# KiCad board Si5351ABreakout_panel.kicad_pcb (continued)
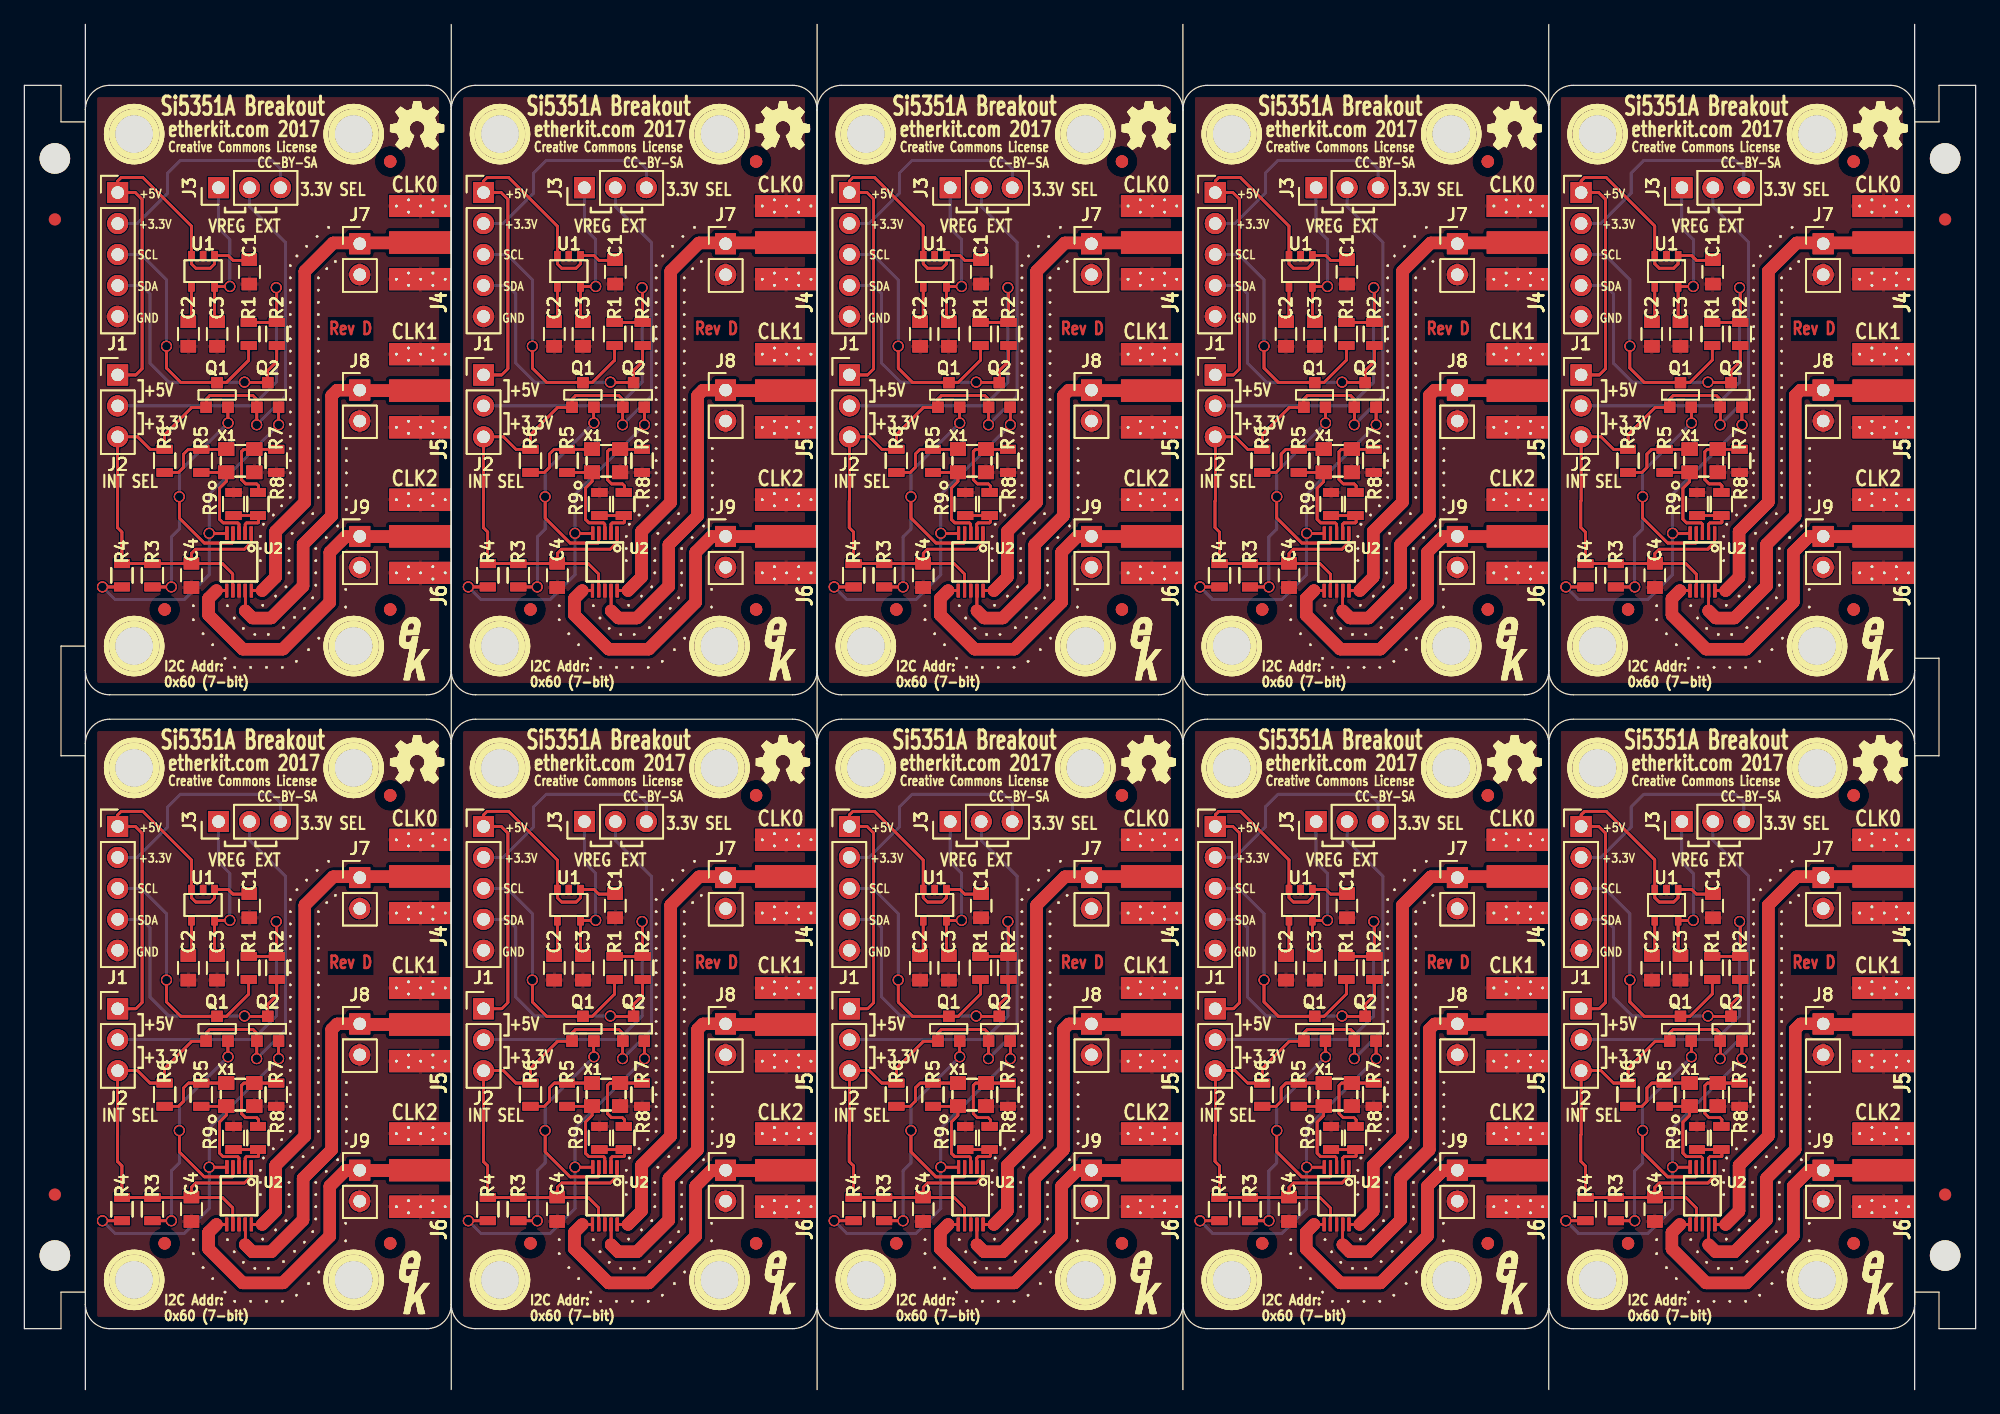
[diagram p0: board, top side]
## Routing (per net, layer and track width the routed paths; a pad name or vN(x,y) marks a point on that pad's centre or on a via; arc(x,y) is an arc through that point) (continued)
  Top w0.2: 7.65,72.92 7.63,72.9 ; 7.65,72.92 J2.3 ; 7.65,72.92 7.63,72.9 ; 7.65,72.92 7.63,72.9 ; 7.65,72.92 J2.3 ; 7.65,72.92 J2.3 ; 7.65,72.92 7.63,72.9 ; 7.65,72.92 J2.3 ; 7.63,72.9 7.63,70.72 ; 7.63,72.9 7.63,70.72 ; 7.63,72.9 7.63,70.72 ; 7.63,72.9 7.63,70.72 ; 37.65,72.92 37.63,72.9 ; 37.65,72.92 J2#2.3 ; 37.65,72.92 37.63,72.9 ; 37.65,72.92 37.63,72.9 ; 37.65,72.92 J2#2.3 ; 37.65,72.92 J2#2.3 ; 37.65,72.92 37.63,72.9 ; 37.65,72.92 J2#2.3 ; 37.63,72.9 37.63,70.72 ; 37.63,72.9 37.63,70.72 ; 37.63,72.9 37.63,70.72 ; 37.63,72.9 37.63,70.72 ; 67.65,72.92 67.63,72.9 ; 67.65,72.92 J2#3.3 ; 67.65,72.92 67.63,72.9 ; 67.65,72.92 67.63,72.9 ; 67.65,72.92 J2#3.3 ; 67.65,72.92 J2#3.3 ; 67.65,72.92 67.63,72.9 ; 67.65,72.92 J2#3.3 ; 67.63,72.9 67.63,70.72 ; 67.63,72.9 67.63,70.72 ; 67.63,72.9 67.63,70.72 ; 67.63,72.9 67.63,70.72 ; 97.65,72.92 97.63,72.9 ; 97.65,72.92 J2#4.3 ; 97.65,72.92 97.63,72.9 ; 97.65,72.92 97.63,72.9 ; 97.65,72.92 J2#4.3 ; 97.65,72.92 J2#4.3 ; 97.65,72.92 97.63,72.9 ; 97.65,72.92 J2#4.3 ; 97.63,72.9 97.63,70.72 ; 97.63,72.9 97.63,70.72 ; 97.63,72.9 97.63,70.72 ; 97.63,72.9 97.63,70.72 ; 127.65,72.92 127.63,72.9 ; 127.65,72.92 J2#5.3 ; 127.65,72.92 127.63,72.9 ; 127.65,72.92 127.63,72.9 ; 127.65,72.92 J2#5.3 ; 127.65,72.92 J2#5.3 ; 127.65,72.92 127.63,72.9 ; 127.65,72.92 J2#5.3 ; 127.63,72.9 127.63,70.72 ; 127.63,72.9 127.63,70.72 ; 127.63,72.9 127.63,70.72 ; 127.63,72.9 127.63,70.72 ; 8,70.35 7.63,70.72 ; 8,70.35 8,67.75 ; 8,70.35 7.63,70.72 ; 8,70.35 7.63,70.72 ; 8,70.35 8,67.75 ; 8,70.35 8,67.75 ; 8,70.35 7.63,70.72 ; 8,70.35 8,67.75 ; 38,70.35 37.63,70.72 ; 38,70.35 38,67.75 ; 38,70.35 37.63,70.72 ; 38,70.35 37.63,70.72 ; 38,70.35 38,67.75 ; 38,70.35 38,67.75 ; 38,70.35 37.63,70.72 ; 38,70.35 38,67.75 ; 68,70.35 67.63,70.72 ; 68,70.35 68,67.75 ; 68,70.35 67.63,70.72 ; 68,70.35 67.63,70.72 ; 68,70.35 68,67.75 ; 68,70.35 68,67.75 ; 68,70.35 67.63,70.72 ; 68,70.35 68,67.75 ; 98,70.35 97.63,70.72 ; 98,70.35 98,67.75 ; 98,70.35 97.63,70.72 ; 98,70.35 97.63,70.72 ; 98,70.35 98,67.75 ; 98,70.35 98,67.75 ; 98,70.35 97.63,70.72 ; 98,70.35 98,67.75 ; 128,70.35 127.63,70.72 ; 128,70.35 128,67.75 ; 128,70.35 127.63,70.72 ; 128,70.35 127.63,70.72 ; 128,70.35 128,67.75 ; 128,70.35 128,67.75 ; 128,70.35 127.63,70.72 ; 128,70.35 128,67.75 ; 16.25,67.75 17.09,66.91 ; 16.25,67.75 13.7,67.75 ; 16.25,67.75 17.09,66.91 ; 16.25,67.75 17.09,66.91 ; 16.25,67.75 13.7,67.75 ; 16.25,67.75 13.7,67.75 ; 16.25,67.75 17.09,66.91 ; 16.25,67.75 13.7,67.75 ; 17.09,66.91 U2.7 ; 17.09,66.91 U2.7 ; 17.09,66.91 U2.7 ; 17.09,66.91 U2.7 ; 46.25,67.75 47.09,66.91 ; 46.25,67.75 43.7,67.75 ; 46.25,67.75 47.09,66.91 ; 46.25,67.75 47.09,66.91 ; 46.25,67.75 43.7,67.75 ; 46.25,67.75 43.7,67.75 ; 46.25,67.75 47.09,66.91 ; 46.25,67.75 43.7,67.75 ; 47.09,66.91 U2#2.7 ; 47.09,66.91 U2#2.7 ; 47.09,66.91 U2#2.7 ; 47.09,66.91 U2#2.7 ; 76.25,67.75 77.09,66.91 ; 76.25,67.75 73.7,67.75 ; 76.25,67.75 77.09,66.91 ; 76.25,67.75 77.09,66.91 ; 76.25,67.75 73.7,67.75 ; 76.25,67.75 73.7,67.75 ; 76.25,67.75 77.09,66.91 ; 76.25,67.75 73.7,67.75 ; 77.09,66.91 U2#3.7 ; 77.09,66.91 U2#3.7 ; 77.09,66.91 U2#3.7 ; 77.09,66.91 U2#3.7 ; 106.25,67.75 107.09,66.91 ; 106.25,67.75 103.7,67.75 ; 106.25,67.75 107.09,66.91 ; 106.25,67.75 107.09,66.91 ; 106.25,67.75 103.7,67.75 ; 106.25,67.75 103.7,67.75 ; 106.25,67.75 107.09,66.91 ; 106.25,67.75 103.7,67.75 ; 107.09,66.91 U2#4.7 ; 107.09,66.91 U2#4.7 ; 107.09,66.91 U2#4.7 ; 107.09,66.91 U2#4.7 ; 136.25,67.75 137.09,66.91 ; 136.25,67.75 133.7,67.75 ; 136.25,67.75 137.09,66.91 ; 136.25,67.75 137.09,66.91 ; 136.25,67.75 133.7,67.75 ; 136.25,67.75 133.7,67.75 ; 136.25,67.75 137.09,66.91 ; 136.25,67.75 133.7,67.75 ; 137.09,66.91 U2#5.7 ; 137.09,66.91 U2#5.7 ; 137.09,66.91 U2#5.7 ; 137.09,66.91 U2#5.7 ; 19.06,81.24 18.75,81.55 ; 19.06,81.24 Q2.2 ; 19.06,81.24 18.75,81.55 ; 19.06,81.24 18.75,81.55 ; 19.06,81.24 Q2.2 ; 19.06,81.24 Q2.2 ; 19.06,81.24 18.75,81.55 ; 19.06,81.24 Q2.2 ; 18.75,81.55 15.2,81.55 ; 18.75,81.55 15.2,81.55 ; 18.75,81.55 15.2,81.55 ; 18.75,81.55 15.2,81.55 ; 49.06,81.24 48.75,81.55 ; 49.06,81.24 Q2#2.2 ; 49.06,81.24 48.75,81.55 ; 49.06,81.24 48.75,81.55 ; 49.06,81.24 Q2#2.2 ; 49.06,81.24 Q2#2.2 ; 49.06,81.24 48.75,81.55 ; 49.06,81.24 Q2#2.2 ; 48.75,81.55 45.2,81.55 ; 48.75,81.55 45.2,81.55 ; 48.75,81.55 45.2,81.55 ; 48.75,81.55 45.2,81.55 ; 79.06,81.24 78.75,81.55 ; 79.06,81.24 Q2#3.2 ; 79.06,81.24 78.75,81.55 ; 79.06,81.24 78.75,81.55 ; 79.06,81.24 Q2#3.2 ; 79.06,81.24 Q2#3.2 ; 79.06,81.24 78.75,81.55 ; 79.06,81.24 Q2#3.2 ; 78.75,81.55 75.2,81.55 ; 78.75,81.55 75.2,81.55 ; 78.75,81.55 75.2,81.55 ; 78.75,81.55 75.2,81.55 ; 109.06,81.24 108.75,81.55 ; 109.06,81.24 Q2#4.2 ; 109.06,81.24 108.75,81.55 ; 109.06,81.24 108.75,81.55 ; 109.06,81.24 Q2#4.2 ; 109.06,81.24 Q2#4.2 ; 109.06,81.24 108.75,81.55 ; 109.06,81.24 Q2#4.2 ; 108.75,81.55 105.2,81.55 ; 108.75,81.55 105.2,81.55 ; 108.75,81.55 105.2,81.55 ; 108.75,81.55 105.2,81.55 ; 139.06,81.24 138.75,81.55 ; 139.06,81.24 Q2#5.2 ; 139.06,81.24 138.75,81.55 ; 139.06,81.24 138.75,81.55 ; 139.06,81.24 Q2#5.2 ; 139.06,81.24 Q2#5.2 ; 139.06,81.24 138.75,81.55 ; 139.06,81.24 Q2#5.2 ; 138.75,81.55 135.2,81.55 ; 138.75,81.55 135.2,81.55 ; 138.75,81.55 135.2,81.55 ; 138.75,81.55 135.2,81.55 ; 15.2,81.55 14.91,81.26 ; 15.2,81.55 14.91,81.26 ; 15.2,81.55 14.91,81.26 ; 15.2,81.55 14.91,81.26 ; 45.2,81.55 44.91,81.26 ; 45.2,81.55 44.91,81.26 ; 45.2,81.55 44.91,81.26 ; 45.2,81.55 44.91,81.26 ; 75.2,81.55 74.91,81.26 ; 75.2,81.55 74.91,81.26 ; 75.2,81.55 74.91,81.26 ; 75.2,81.55 74.91,81.26 ; 105.2,81.55 104.91,81.26 ; 105.2,81.55 104.91,81.26 ; 105.2,81.55 104.91,81.26 ; 105.2,81.55 104.91,81.26 ; 135.2,81.55 134.91,81.26 ; 135.2,81.55 134.91,81.26 ; 135.2,81.55 134.91,81.26 ; 135.2,81.55 134.91,81.26 ; 14.91,81.26 14.91,80.58 ; 14.91,81.26 14.91,80.58 ; 14.91,81.26 14.91,80.58 ; 14.91,81.26 14.91,80.58 ; 44.91,81.26 Q1#2.2 ; 44.91,81.26 Q1#2.2 ; 44.91,81.26 Q1#2.2 ; 44.91,81.26 Q1#2.2 ; 74.91,81.26 Q1#3.2 ; 74.91,81.26 Q1#3.2 ; 74.91,81.26 Q1#3.2 ; 74.91,81.26 Q1#3.2 ; 104.91,81.26 Q1#4.2 ; 104.91,81.26 Q1#4.2 ; 104.91,81.26 Q1#4.2 ; 104.91,81.26 Q1#4.2 ; 134.91,81.26 Q1#5.2 ; 134.91,81.26 Q1#5.2 ; 134.91,81.26 Q1#5.2 ; 134.91,81.26 Q1#5.2 ; 14.91,80.58 13.73,80.58 ; 14.91,80.58 13.73,80.58 ; 14.91,80.58 13.73,80.58 ; 14.91,80.58 13.73,80.58 ; Q1#2.2 43.73,80.58 ; Q1#2.2 43.73,80.58 ; Q1#2.2 43.73,80.58 ; Q1#2.2 43.73,80.58 ; Q1#3.2 73.73,80.58 ; Q1#3.2 73.73,80.58 ; Q1#3.2 73.73,80.58 ; Q1#3.2 73.73,80.58 ; Q1#4.2 103.73,80.58 ; Q1#4.2 103.73,80.58 ; Q1#4.2 103.73,80.58 ; Q1#4.2 103.73,80.58 ; Q1#5.2 133.73,80.58 ; Q1#5.2 133.73,80.58 ; Q1#5.2 133.73,80.58 ; Q1#5.2 133.73,80.58 ; v1(19.05,79.15) 19.06,79.16 ; v1(19.05,79.15) 19.06,79.16 ; v1(19.05,79.15) 19.06,79.16 ; v1(19.05,79.15) 19.06,79.16 ; 19.06,79.16 Q2.2 ; 19.06,79.16 Q2.2 ; 19.06,79.16 Q2.2 ; 19.06,79.16 Q2.2 ; v1(49.05,79.15) 49.06,79.16 ; v1(49.05,79.15) 49.06,79.16 ; v1(49.05,79.15) 49.06,79.16 ; v1(49.05,79.15) 49.06,79.16 ; 49.06,79.16 Q2#2.2 ; 49.06,79.16 Q2#2.2 ; 49.06,79.16 Q2#2.2 ; 49.06,79.16 Q2#2.2 ; v1(79.05,79.15) 79.06,79.16 ; v1(79.05,79.15) 79.06,79.16 ; v1(79.05,79.15) 79.06,79.16 ; v1(79.05,79.15) 79.06,79.16 ; 79.06,79.16 Q2#3.2 ; 79.06,79.16 Q2#3.2 ; 79.06,79.16 Q2#3.2 ; 79.06,79.16 Q2#3.2 ; v1(109.05,79.15) 109.06,79.16 ; v1(109.05,79.15) 109.06,79.16 ; v1(109.05,79.15) 109.06,79.16 ; v1(109.05,79.15) 109.06,79.16 ; 109.06,79.16 Q2#4.2 ; 109.06,79.16 Q2#4.2 ; 109.06,79.16 Q2#4.2 ; 109.06,79.16 Q2#4.2 ; v1(139.05,79.15) 139.06,79.16 ; v1(139.05,79.15) 139.06,79.16 ; v1(139.05,79.15) 139.06,79.16 ; v1(139.05,79.15) 139.06,79.16 ; 139.06,79.16 Q2#5.2 ; 139.06,79.16 Q2#5.2 ; 139.06,79.16 Q2#5.2 ; 139.06,79.16 Q2#5.2 ; 9.29,78.16 10.3,77.15 ; 9.29,78.16 J2.3 ; 9.29,78.16 10.3,77.15 ; 9.29,78.16 10.3,77.15 ; 9.29,78.16 J2.3 ; 9.29,78.16 J2.3 ; 9.29,78.16 10.3,77.15 ; 9.29,78.16 J2.3 ; 10.3,77.15 R6.1 ; 10.3,77.15 R6.1 ; 10.3,77.15 R6.1 ; 10.3,77.15 R6.1 ; 39.29,78.16 40.3,77.15 ; 39.29,78.16 J2#2.3 ; 39.29,78.16 40.3,77.15 ; 39.29,78.16 40.3,77.15 ; 39.29,78.16 J2#2.3 ; 39.29,78.16 J2#2.3 ; 39.29,78.16 40.3,77.15 ; 39.29,78.16 J2#2.3 ; 40.3,77.15 R6#2.1 ; 40.3,77.15 R6#2.1 ; 40.3,77.15 R6#2.1 ; 40.3,77.15 R6#2.1 ; 69.29,78.16 70.3,77.15 ; 69.29,78.16 J2#3.3 ; 69.29,78.16 70.3,77.15 ; 69.29,78.16 70.3,77.15 ; 69.29,78.16 J2#3.3 ; 69.29,78.16 J2#3.3 ; 69.29,78.16 70.3,77.15 ; 69.29,78.16 J2#3.3 ; 70.3,77.15 R6#3.1 ; 70.3,77.15 R6#3.1 ; 70.3,77.15 R6#3.1 ; 70.3,77.15 R6#3.1 ; 99.29,78.16 100.3,77.15 ; 99.29,78.16 J2#4.3 ; 99.29,78.16 100.3,77.15 ; 99.29,78.16 100.3,77.15 ; 99.29,78.16 J2#4.3 ; 99.29,78.16 J2#4.3 ; 99.29,78.16 100.3,77.15 ; 99.29,78.16 J2#4.3 ; 100.3,77.15 R6#4.1 ; 100.3,77.15 R6#4.1 ; 100.3,77.15 R6#4.1 ; 100.3,77.15 R6#4.1 ; 129.29,78.16 130.3,77.15 ; 129.29,78.16 J2#5.3 ; 129.29,78.16 130.3,77.15 ; 129.29,78.16 130.3,77.15 ; 129.29,78.16 J2#5.3 ; 129.29,78.16 J2#5.3 ; 129.29,78.16 130.3,77.15 ; 129.29,78.16 J2#5.3 ; 130.3,77.15 R6#5.1 ; 130.3,77.15 R6#5.1 ; 130.3,77.15 R6#5.1 ; 130.3,77.15 R6#5.1 ; R6.1 11.5,78.35 ; R6.1 11.5,78.35 ; R6.1 11.5,78.35 ; R6.1 11.5,78.35 ; R6#2.1 41.5,78.35 ; R6#2.1 41.5,78.35 ; R6#2.1 41.5,78.35 ; R6#2.1 41.5,78.35 ; R6#3.1 71.5,78.35 ; R6#3.1 71.5,78.35 ; R6#3.1 71.5,78.35 ; R6#3.1 71.5,78.35 ; R6#4.1 101.5,78.35 ; R6#4.1 101.5,78.35 ; R6#4.1 101.5,78.35 ; R6#4.1 101.5,78.35 ; R6#5.1 131.5,78.35 ; R6#5.1 131.5,78.35 ; R6#5.1 131.5,78.35 ; R6#5.1 131.5,78.35 ; 11.5,78.35 13.73,80.58 ; 11.5,78.35 13.73,80.58 ; 11.5,78.35 13.73,80.58 ; 11.5,78.35 13.73,80.58 ; 41.5,78.35 43.73,80.58 ; 41.5,78.35 43.73,80.58 ; 41.5,78.35 43.73,80.58 ; 41.5,78.35 43.73,80.58 ; 71.5,78.35 73.73,80.58 ; 71.5,78.35 73.73,80.58 ; 71.5,78.35 73.73,80.58 ; 71.5,78.35 73.73,80.58 ; 101.5,78.35 103.73,80.58 ; 101.5,78.35 103.73,80.58 ; 101.5,78.35 103.73,80.58 ; 101.5,78.35 103.73,80.58 ; 131.5,78.35 133.73,80.58 ; 131.5,78.35 133.73,80.58 ; 131.5,78.35 133.73,80.58 ; 131.5,78.35 133.73,80.58 ; 14.05,68.95 13.7,68.6 ; 14.05,68.95 18.05,68.95 ; 14.05,68.95 18.05,68.95 ; 14.05,68.95 13.7,68.6 ; 14.05,68.95 13.7,68.6 ; 14.05,68.95 18.05,68.95 ; 14.05,68.95 18.05,68.95 ; 14.05,68.95 13.7,68.6 ; 13.7,68.6 C4.1 ; 13.7,68.6 C4.1 ; 13.7,68.6 C4.1 ; 13.7,68.6 C4.1 ; 18.05,68.95 18.6,69.5 ; 18.05,68.95 18.6,69.5 ; 18.05,68.95 18.6,69.5 ; 18.05,68.95 18.6,69.5 ; U2.1 18.6,69.5 ; U2.1 18.6,69.5 ; U2.1 18.6,69.5 ; U2.1 18.6,69.5 ; 10.5,67.75 13.7,67.75 ; 10.5,67.75 8,67.75 ; 10.5,67.75 8,67.75 ; 10.5,67.75 13.7,67.75 ; 10.5,67.75 13.7,67.75 ; 10.5,67.75 8,67.75 ; 10.5,67.75 13.7,67.75 ; 10.5,67.75 8,67.75 ; 44.05,68.95 43.7,68.6 ; 44.05,68.95 48.05,68.95 ; 44.05,68.95 48.05,68.95 ; 44.05,68.95 43.7,68.6 ; 44.05,68.95 43.7,68.6 ; 44.05,68.95 48.05,68.95 ; 44.05,68.95 43.7,68.6 ; 44.05,68.95 48.05,68.95 ; 43.7,68.6 C4#2.1 ; 43.7,68.6 C4#2.1 ; 43.7,68.6 C4#2.1 ; 43.7,68.6 C4#2.1 ; 48.05,68.95 48.6,69.5 ; 48.05,68.95 48.6,69.5 ; 48.05,68.95 48.6,69.5 ; 48.05,68.95 48.6,69.5 ; U2#2.1 48.6,69.5 ; U2#2.1 48.6,69.5 ; U2#2.1 48.6,69.5 ; U2#2.1 48.6,69.5 ; 40.5,67.75 43.7,67.75 ; 40.5,67.75 38,67.75 ; 40.5,67.75 38,67.75 ; 40.5,67.75 43.7,67.75 ; 40.5,67.75 43.7,67.75 ; 40.5,67.75 38,67.75 ; 40.5,67.75 43.7,67.75 ; 40.5,67.75 38,67.75 ; 74.05,68.95 73.7,68.6 ; 74.05,68.95 78.05,68.95 ; 74.05,68.95 78.05,68.95 ; 74.05,68.95 73.7,68.6 ; 74.05,68.95 73.7,68.6 ; 74.05,68.95 78.05,68.95 ; 74.05,68.95 78.05,68.95 ; 74.05,68.95 73.7,68.6 ; 73.7,68.6 C4#3.1 ; 73.7,68.6 C4#3.1 ; 73.7,68.6 C4#3.1 ; 73.7,68.6 C4#3.1 ; 78.05,68.95 78.6,69.5 ; 78.05,68.95 78.6,69.5 ; 78.05,68.95 78.6,69.5 ; 78.05,68.95 78.6,69.5 ; U2#3.1 78.6,69.5 ; U2#3.1 78.6,69.5 ; U2#3.1 78.6,69.5 ; U2#3.1 78.6,69.5 ; 70.5,67.75 73.7,67.75 ; 70.5,67.75 68,67.75 ; 70.5,67.75 68,67.75 ; 70.5,67.75 73.7,67.75 ; 70.5,67.75 73.7,67.75 ; 70.5,67.75 68,67.75 ; 70.5,67.75 68,67.75 ; 70.5,67.75 73.7,67.75 ; 104.05,68.95 103.7,68.6 ; 104.05,68.95 108.05,68.95 ; 104.05,68.95 108.05,68.95 ; 104.05,68.95 103.7,68.6 ; 104.05,68.95 103.7,68.6 ; 104.05,68.95 108.05,68.95 ; 104.05,68.95 108.05,68.95 ; 104.05,68.95 103.7,68.6 ; 103.7,68.6 C4#4.1 ; 103.7,68.6 C4#4.1 ; 103.7,68.6 C4#4.1 ; 103.7,68.6 C4#4.1 ; 108.05,68.95 108.6,69.5 ; 108.05,68.95 108.6,69.5 ; 108.05,68.95 108.6,69.5 ; 108.05,68.95 108.6,69.5 ; U2#4.1 108.6,69.5 ; U2#4.1 108.6,69.5 ; U2#4.1 108.6,69.5 ; U2#4.1 108.6,69.5 ; 100.5,67.75 103.7,67.75 ; 100.5,67.75 98,67.75 ; 100.5,67.75 98,67.75 ; 100.5,67.75 103.7,67.75 ; 100.5,67.75 103.7,67.75 ; 100.5,67.75 98,67.75 ; 100.5,67.75 98,67.75 ; 100.5,67.75 103.7,67.75 ; 134.05,68.95 133.7,68.6 ; 134.05,68.95 138.05,68.95 ; 134.05,68.95 138.05,68.95 ; 134.05,68.95 133.7,68.6 ; 134.05,68.95 133.7,68.6 ; 134.05,68.95 138.05,68.95 ; 134.05,68.95 138.05,68.95 ; 134.05,68.95 133.7,68.6 ; 133.7,68.6 C4#5.1 ; 133.7,68.6 C4#5.1 ; 133.7,68.6 C4#5.1 ; 133.7,68.6 C4#5.1 ; 138.05,68.95 138.6,69.5 ; 138.05,68.95 138.6,69.5 ; 138.05,68.95 138.6,69.5 ; 138.05,68.95 138.6,69.5 ; U2#5.1 138.6,69.5 ; U2#5.1 138.6,69.5 ; U2#5.1 138.6,69.5 ; U2#5.1 138.6,69.5 ; 130.5,67.75 133.7,67.75 ; 130.5,67.75 128,67.75 ; 130.5,67.75 128,67.75 ; 130.5,67.75 133.7,67.75 ; 130.5,67.75 133.7,67.75 ; 130.5,67.75 128,67.75 ; 130.5,67.75 128,67.75 ; 130.5,67.75 133.7,67.75 ; 138.05,16.95 134.05,16.95 ; 138.05,16.95 134.05,16.95 ; 138.05,16.95 134.05,16.95 ; 138.05,16.95 134.05,16.95 ; 138.05,16.95 138.6,17.5 ; 138.05,16.95 138.6,17.5 ; 138.05,16.95 138.6,17.5 ; 138.05,16.95 138.6,17.5 ; 134.05,16.95 133.7,16.6 ; 134.05,16.95 133.7,16.6 ; 134.05,16.95 133.7,16.6 ; 134.05,16.95 133.7,16.6 ; 127.63,18.72 127.63,20.9 ; 127.63,18.72 128,18.35 ; 127.63,18.72 127.63,20.9 ; 127.63,18.72 127.63,20.9 ; 127.63,18.72 127.63,20.9 ; 127.63,18.72 128,18.35 ; 127.63,18.72 128,18.35 ; 127.63,18.72 128,18.35 ; 127.63,20.9 127.65,20.92 ; 127.63,20.9 127.65,20.92 ; 127.63,20.9 127.65,20.92 ; 127.63,20.9 127.65,20.92 ; 128,18.35 128,15.75 ; 128,18.35 128,15.75 ; 128,18.35 128,15.75 ; 128,18.35 128,15.75 ; 128,15.75 130.5,15.75 ; 128,15.75 130.5,15.75 ; 128,15.75 130.5,15.75 ; 128,15.75 130.5,15.75 ; 130.5,15.75 133.7,15.75 ; 130.5,15.75 133.7,15.75 ; 130.5,15.75 133.7,15.75 ; 130.5,15.75 133.7,15.75 ; 133.7,15.75 136.25,15.75 ; 133.7,15.75 136.25,15.75 ; 133.7,15.75 136.25,15.75 ; 133.7,15.75 136.25,15.75 ; J2#33.3 127.65,20.92 ; J2#33.3 127.65,20.92 ; J2#33.3 127.65,20.92 ; J2#33.3 127.65,20.92 ; J2#33.3 129.29,26.16 ; J2#33.3 129.29,26.16 ; J2#33.3 129.29,26.16 ; J2#33.3 129.29,26.16 ; 129.29,26.16 130.3,25.15 ; 129.29,26.16 130.3,25.15 ; 129.29,26.16 130.3,25.15 ; 129.29,26.16 130.3,25.15 ; 130.3,25.15 R6#34.1 ; 130.3,25.15 R6#34.1 ; 130.3,25.15 R6#34.1 ; 130.3,25.15 R6#34.1 ; 133.7,16.6 C4#37.1 ; 133.7,16.6 C4#37.1 ; 133.7,16.6 C4#37.1 ; 133.7,16.6 C4#37.1 ; 136.25,15.75 137.09,14.91 ; 136.25,15.75 137.09,14.91 ; 136.25,15.75 137.09,14.91 ; 136.25,15.75 137.09,14.91 ; 137.09,14.91 U2#37.7 ; 137.09,14.91 U2#37.7 ; 137.09,14.91 U2#37.7 ; 137.09,14.91 U2#37.7 ; 134.91,29.26 Q1#33.2 ; 134.91,29.26 Q1#33.2 ; 134.91,29.26 Q1#33.2 ; 134.91,29.26 Q1#33.2 ; 134.91,29.26 135.2,29.55 ; 134.91,29.26 135.2,29.55 ; 134.91,29.26 135.2,29.55 ; 134.91,29.26 135.2,29.55 ; Q1#33.2 133.73,28.58 ; Q1#33.2 133.73,28.58 ; Q1#33.2 133.73,28.58 ; Q1#33.2 133.73,28.58 ; 133.73,28.58 131.5,26.35 ; 133.73,28.58 131.5,26.35 ; 133.73,28.58 131.5,26.35 ; 133.73,28.58 131.5,26.35 ; R6#34.1 131.5,26.35 ; R6#34.1 131.5,26.35 ; R6#34.1 131.5,26.35 ; R6#34.1 131.5,26.35 ; 139.06,27.16 Q2#33.2 ; 139.06,27.16 Q2#33.2 ; 139.06,27.16 v1(139.05,27.15) ; 139.06,27.16 v1(139.05,27.15) ; 139.06,27.16 Q2#33.2 ; 139.06,27.16 v1(139.05,27.15) ; 139.06,27.16 Q2#33.2 ; 139.06,27.16 v1(139.05,27.15) ; Q2#33.2 139.06,29.24 ; Q2#33.2 139.06,29.24 ; Q2#33.2 139.06,29.24 ; Q2#33.2 139.06,29.24 ; 139.06,29.24 138.75,29.55 ; 139.06,29.24 138.75,29.55 ; 139.06,29.24 138.75,29.55 ; 139.06,29.24 138.75,29.55 ; 138.75,29.55 135.2,29.55 ; 138.75,29.55 135.2,29.55 ; 138.75,29.55 135.2,29.55 ; 138.75,29.55 135.2,29.55 ; 138.6,17.5 U2#37.1 ; 138.6,17.5 U2#37.1 ; 138.6,17.5 U2#37.1 ; 138.6,17.5 U2#37.1 ; 108.75,29.55 105.2,29.55 ; 108.75,29.55 105.2,29.55 ; 108.75,29.55 105.2,29.55 ; 108.75,29.55 105.2,29.55 ; 108.75,29.55 109.06,29.24 ; 108.75,29.55 109.06,29.24 ; 108.75,29.55 109.06,29.24 ; 108.75,29.55 109.06,29.24 ; 105.2,29.55 104.91,29.26 ; 105.2,29.55 104.91,29.26 ; 105.2,29.55 104.91,29.26 ; 105.2,29.55 104.91,29.26 ; 109.06,29.24 Q2#37.2 ; 109.06,29.24 Q2#37.2 ; 109.06,29.24 Q2#37.2 ; 109.06,29.24 Q2#37.2 ; Q2#37.2 109.06,27.16 ; Q2#37.2 109.06,27.16 ; Q2#37.2 109.06,27.16 ; Q2#37.2 109.06,27.16 ; 104.91,29.26 Q1#37.2 ; 104.91,29.26 Q1#37.2 ; 104.91,29.26 Q1#37.2 ; 104.91,29.26 Q1#37.2 ; Q1#37.2 103.73,28.58 ; Q1#37.2 103.73,28.58 ; Q1#37.2 103.73,28.58 ; Q1#37.2 103.73,28.58 ; U2#33.1 108.6,17.5 ; U2#33.1 108.6,17.5 ; U2#33.1 108.6,17.5 ; U2#33.1 108.6,17.5 ; 108.6,17.5 108.05,16.95 ; 108.6,17.5 108.05,16.95 ; 108.6,17.5 108.05,16.95 ; 108.6,17.5 108.05,16.95 ; 108.05,16.95 104.05,16.95 ; 108.05,16.95 104.05,16.95 ; 108.05,16.95 104.05,16.95 ; 108.05,16.95 104.05,16.95 ; 103.73,28.58 101.5,26.35 ; 103.73,28.58 101.5,26.35 ; 103.73,28.58 101.5,26.35 ; 103.73,28.58 101.5,26.35 ; 101.5,26.35 R6#33.1 ; 101.5,26.35 R6#33.1 ; 101.5,26.35 R6#33.1 ; 101.5,26.35 R6#33.1 ; R6#33.1 100.3,25.15 ; R6#33.1 100.3,25.15 ; R6#33.1 100.3,25.15 ; R6#33.1 100.3,25.15 ; 109.06,27.16 v1(109.05,27.15) ; 109.06,27.16 v1(109.05,27.15) ; 109.06,27.16 v1(109.05,27.15) ; 109.06,27.16 v1(109.05,27.15) ; 100.5,15.75 103.7,15.75 ; 100.5,15.75 103.7,15.75 ; 100.5,15.75 103.7,15.75 ; 100.5,15.75 103.7,15.75 ; 100.5,15.75 98,15.75 ; 100.5,15.75 98,15.75 ; 100.5,15.75 98,15.75 ; 100.5,15.75 98,15.75 ; 103.7,15.75 106.25,15.75 ; 103.7,15.75 106.25,15.75 ; 103.7,15.75 106.25,15.75 ; 103.7,15.75 106.25,15.75 ; 97.65,20.92 97.63,20.9 ; 97.65,20.92 97.63,20.9 ; 97.65,20.92 97.63,20.9 ; 97.65,20.92 97.63,20.9 ; 97.65,20.92 J2#37.3 ; 97.65,20.92 J2#37.3 ; 97.65,20.92 J2#37.3 ; 97.65,20.92 J2#37.3 ; 97.63,20.9 97.63,18.72 ; 97.63,20.9 97.63,18.72 ; 97.63,20.9 97.63,18.72 ; 97.63,20.9 97.63,18.72 ; 97.63,18.72 98,18.35 ; 97.63,18.72 98,18.35 ; 97.63,18.72 98,18.35 ; 97.63,18.72 98,18.35 ; 98,15.75 98,18.35 ; 98,15.75 98,18.35 ; 98,15.75 98,18.35 ; 98,15.75 98,18.35 ; 106.25,15.75 107.09,14.91 ; 106.25,15.75 107.09,14.91 ; 106.25,15.75 107.09,14.91 ; 106.25,15.75 107.09,14.91 ; 107.09,14.91 U2#33.7 ; 107.09,14.91 U2#33.7 ; 107.09,14.91 U2#33.7 ; 107.09,14.91 U2#33.7 ; 104.05,16.95 103.7,16.6 ; 104.05,16.95 103.7,16.6 ; 104.05,16.95 103.7,16.6 ; 104.05,16.95 103.7,16.6 ; 103.7,16.6 C4#33.1 ; 103.7,16.6 C4#33.1 ; 103.7,16.6 C4#33.1 ; 103.7,16.6 C4#33.1 ; J2#37.3 99.29,26.16 ; J2#37.3 99.29,26.16 ; J2#37.3 99.29,26.16 ; J2#37.3 99.29,26.16 ; 99.29,26.16 100.3,25.15 ; 99.29,26.16 100.3,25.15 ; 99.29,26.16 100.3,25.15 ; 99.29,26.16 100.3,25.15 ; 74.91,29.26 Q1#21.2 ; 74.91,29.26 Q1#21.2 ; 74.91,29.26 Q1#21.2 ; 74.91,29.26 75.2,29.55 ; 74.91,29.26 75.2,29.55 ; 74.91,29.26 75.2,29.55 ; 74.91,29.26 75.2,29.55 ; 74.91,29.26 Q1#21.2 ; Q1#21.2 73.73,28.58 ; Q1#21.2 73.73,28.58 ; Q1#21.2 73.73,28.58 ; Q1#21.2 73.73,28.58 ; 73.73,28.58 71.5,26.35 ; 73.73,28.58 71.5,26.35 ; 73.73,28.58 71.5,26.35 ; 73.73,28.58 71.5,26.35 ; 78.75,29.55 75.2,29.55 ; 78.75,29.55 75.2,29.55 ; 78.75,29.55 75.2,29.55 ; 78.75,29.55 75.2,29.55 ; 78.75,29.55 79.06,29.24 ; 78.75,29.55 79.06,29.24 ; 78.75,29.55 79.06,29.24 ; 78.75,29.55 79.06,29.24 ; 79.06,29.24 Q2#21.2 ; 79.06,29.24 Q2#21.2 ; 79.06,29.24 Q2#21.2 ; 79.06,29.24 Q2#21.2 ; Q2#21.2 79.06,27.16 ; Q2#21.2 79.06,27.16 ; Q2#21.2 79.06,27.16 ; Q2#21.2 79.06,27.16 ; 78.05,16.95 74.05,16.95 ; 78.05,16.95 74.05,16.95 ; 78.05,16.95 74.05,16.95 ; 78.05,16.95 74.05,16.95 ; 78.05,16.95 78.6,17.5 ; 78.05,16.95 78.6,17.5 ; 78.05,16.95 78.6,17.5 ; 78.05,16.95 78.6,17.5 ; 74.05,16.95 73.7,16.6 ; 74.05,16.95 73.7,16.6 ; 74.05,16.95 73.7,16.6 ; 74.05,16.95 73.7,16.6 ; U2#21.1 78.6,17.5 ; U2#21.1 78.6,17.5 ; U2#21.1 78.6,17.5 ; U2#21.1 78.6,17.5 ; 73.7,16.6 C4#21.1 ; 73.7,16.6 C4#21.1 ; 73.7,16.6 C4#21.1 ; 73.7,16.6 C4#21.1 ; 73.7,15.75 76.25,15.75 ; 73.7,15.75 76.25,15.75 ; 73.7,15.75 76.25,15.75 ; 73.7,15.75 76.25,15.75 ; 73.7,15.75 70.5,15.75 ; 73.7,15.75 70.5,15.75 ; 73.7,15.75 70.5,15.75 ; 73.7,15.75 70.5,15.75 ; 76.25,15.75 77.09,14.91 ; 76.25,15.75 77.09,14.91 ; 76.25,15.75 77.09,14.91 ; 76.25,15.75 77.09,14.91 ; 77.09,14.91 U2#21.7 ; 77.09,14.91 U2#21.7 ; 77.09,14.91 U2#21.7 ; 77.09,14.91 U2#21.7 ; 79.06,27.16 v1(79.05,27.15) ; 79.06,27.16 v1(79.05,27.15) ; 79.06,27.16 v1(79.05,27.15) ; 79.06,27.16 v1(79.05,27.15) ; 68,15.75 70.5,15.75 ; 68,15.75 68,18.35 ; 68,15.75 70.5,15.75 ; 68,15.75 68,18.35 ; 68,15.75 70.5,15.75 ; 68,15.75 70.5,15.75 ; 68,15.75 68,18.35 ; 68,15.75 68,18.35 ; 68,18.35 67.63,18.72 ; 68,18.35 67.63,18.72 ; 68,18.35 67.63,18.72 ; 68,18.35 67.63,18.72 ; 67.63,18.72 67.63,20.9 ; 67.63,18.72 67.63,20.9 ; 67.63,18.72 67.63,20.9 ; 67.63,18.72 67.63,20.9 ; 67.63,20.9 67.65,20.92 ; 67.63,20.9 67.65,20.92 ; 67.63,20.9 67.65,20.92 ; 67.63,20.9 67.65,20.92 ; 67.65,20.92 J2#21.3 ; 67.65,20.92 J2#21.3 ; 67.65,20.92 J2#21.3 ; 67.65,20.92 J2#21.3 ; J2#21.3 69.29,26.16 ; J2#21.3 69.29,26.16 ; J2#21.3 69.29,26.16 ; J2#21.3 69.29,26.16 ; 69.29,26.16 70.3,25.15 ; 69.29,26.16 70.3,25.15 ; 69.29,26.16 70.3,25.15 ; 69.29,26.16 70.3,25.15 ; 70.3,25.15 R6#21.1 ; 70.3,25.15 R6#21.1 ; 70.3,25.15 R6#21.1 ; 70.3,25.15 R6#21.1 ; R6#21.1 71.5,26.35 ; R6#21.1 71.5,26.35 ; R6#21.1 71.5,26.35 ; R6#21.1 71.5,26.35 ; R6#29.1 41.5,26.35 ; R6#29.1 40.3,25.15 ; R6#29.1 41.5,26.35 ; R6#29.1 40.3,25.15 ; R6#29.1 41.5,26.35 ; R6#29.1 41.5,26.35 ; R6#29.1 40.3,25.15 ; R6#29.1 40.3,25.15 ; 41.5,26.35 43.73,28.58 ; 41.5,26.35 43.73,28.58 ; 41.5,26.35 43.73,28.58 ; 41.5,26.35 43.73,28.58 ; 40.3,25.15 39.29,26.16 ; 40.3,25.15 39.29,26.16 ; 40.3,25.15 39.29,26.16 ; 40.3,25.15 39.29,26.16 ; 43.73,28.58 Q1#29.2 ; 43.73,28.58 Q1#29.2 ; 43.73,28.58 Q1#29.2 ; 43.73,28.58 Q1#29.2 ; J2#29.3 39.29,26.16 ; J2#29.3 39.29,26.16 ; J2#29.3 39.29,26.16 ; J2#29.3 39.29,26.16 ; J2#29.3 37.65,20.92 ; J2#29.3 37.65,20.92 ; J2#29.3 37.65,20.92 ; J2#29.3 37.65,20.92 ; 47.09,14.91 U2#26.7 ; 47.09,14.91 U2#26.7 ; 47.09,14.91 U2#26.7 ; 47.09,14.91 46.25,15.75 ; 47.09,14.91 46.25,15.75 ; 47.09,14.91 U2#26.7 ; 47.09,14.91 46.25,15.75 ; 47.09,14.91 46.25,15.75 ; 46.25,15.75 43.7,15.75 ; 46.25,15.75 43.7,15.75 ; 46.25,15.75 43.7,15.75 ; 46.25,15.75 43.7,15.75 ; 40.5,15.75 43.7,15.75 ; 40.5,15.75 43.7,15.75 ; 40.5,15.75 43.7,15.75 ; 40.5,15.75 43.7,15.75 ; 40.5,15.75 38,15.75 ; 40.5,15.75 38,15.75 ; 40.5,15.75 38,15.75 ; 40.5,15.75 38,15.75 ; 38,15.75 38,18.35 ; 38,15.75 38,18.35 ; 38,15.75 38,18.35 ; 38,15.75 38,18.35 ; 38,18.35 37.63,18.72 ; 38,18.35 37.63,18.72 ; 38,18.35 37.63,18.72 ; 38,18.35 37.63,18.72 ; 37.65,20.92 37.63,20.9 ; 37.65,20.92 37.63,20.9 ; 37.65,20.92 37.63,20.9 ; 37.65,20.92 37.63,20.9 ; 48.75,29.55 45.2,29.55 ; 48.75,29.55 45.2,29.55 ; 48.75,29.55 45.2,29.55 ; 48.75,29.55 45.2,29.55 ; 48.75,29.55 49.06,29.24 ; 48.75,29.55 49.06,29.24 ; 48.75,29.55 49.06,29.24 ; 48.75,29.55 49.06,29.24 ; 45.2,29.55 44.91,29.26 ; 45.2,29.55 44.91,29.26 ; 45.2,29.55 44.91,29.26 ; 45.2,29.55 44.91,29.26 ; 49.06,27.16 Q2#29.2 ; 49.06,27.16 Q2#29.2 ; 49.06,27.16 Q2#29.2 ; 49.06,27.16 Q2#29.2 ; 49.06,27.16 v1(49.05,27.15) ; 49.06,27.16 v1(49.05,27.15) ; 49.06,27.16 v1(49.05,27.15) ; 49.06,27.16 v1(49.05,27.15) ; Q2#29.2 49.06,29.24 ; Q2#29.2 49.06,29.24 ; Q2#29.2 49.06,29.24 ; Q2#29.2 49.06,29.24 ; Q1#29.2 44.91,29.26 ; Q1#29.2 44.91,29.26 ; Q1#29.2 44.91,29.26 ; Q1#29.2 44.91,29.26 ; 48.05,16.95 44.05,16.95 ; 48.05,16.95 44.05,16.95 ; 48.05,16.95 44.05,16.95 ; 48.05,16.95 44.05,16.95 ; 48.05,16.95 48.6,17.5 ; 48.05,16.95 48.6,17.5 ; 48.05,16.95 48.6,17.5 ; 48.05,16.95 48.6,17.5 ; 44.05,16.95 43.7,16.6 ; 44.05,16.95 43.7,16.6 ; 44.05,16.95 43.7,16.6 ; 44.05,16.95 43.7,16.6 ; 43.7,16.6 C4#25.1 ; 43.7,16.6 C4#25.1 ; 43.7,16.6 C4#25.1 ; 43.7,16.6 C4#25.1 ; 48.6,17.5 U2#26.1 ; 48.6,17.5 U2#26.1 ; 48.6,17.5 U2#26.1 ; 48.6,17.5 U2#26.1 ; R6#22.1 11.5,26.35 ; R6#22.1 11.5,26.35 ; R6#22.1 11.5,26.35 ; R6#22.1 11.5,26.35 ; R6#22.1 10.3,25.15 ; R6#22.1 10.3,25.15 ; R6#22.1 10.3,25.15 ; R6#22.1 10.3,25.15 ; 11.5,26.35 13.73,28.58 ; 11.5,26.35 13.73,28.58 ; 11.5,26.35 13.73,28.58 ; 11.5,26.35 13.73,28.58 ; 13.73,28.58 14.91,28.58 ; 13.73,28.58 14.91,28.58 ; 13.73,28.58 14.91,28.58 ; 13.73,28.58 14.91,28.58 ; 14.91,28.58 14.91,29.26 ; 14.91,28.58 14.91,29.26 ; 14.91,28.58 14.91,29.26 ; 14.91,28.58 14.91,29.26 ; v1(19.05,27.15) 19.06,27.16 ; v1(19.05,27.15) 19.06,27.16 ; v1(19.05,27.15) 19.06,27.16 ; v1(19.05,27.15) 19.06,27.16 ; 19.06,27.16 Q2#23.2 ; 19.06,27.16 Q2#23.2 ; 19.06,27.16 Q2#23.2 ; 19.06,27.16 Q2#23.2 ; Q2#23.2 19.06,29.24 ; Q2#23.2 19.06,29.24 ; Q2#23.2 19.06,29.24 ; Q2#23.2 19.06,29.24 ; 10.3,25.15 9.29,26.16 ; 10.3,25.15 9.29,26.16 ; 10.3,25.15 9.29,26.16 ; 10.3,25.15 9.29,26.16 ; 9.29,26.16 J2#25.3 ; 9.29,26.16 J2#25.3 ; 9.29,26.16 J2#25.3 ; 9.29,26.16 J2#25.3 ; J2#25.3 7.65,20.92 ; J2#25.3 7.65,20.92 ; J2#25.3 7.65,20.92 ; J2#25.3 7.65,20.92 ; 7.65,20.92 7.63,20.9 ; 7.65,20.92 7.63,20.9 ; 7.65,20.92 7.63,20.9 ; 7.65,20.92 7.63,20.9 ; 7.63,18.72 7.63,20.9 ; 7.63,18.72 7.63,20.9 ; 7.63,18.72 7.63,20.9 ; 7.63,18.72 8,18.35 ; 7.63,18.72 8,18.35 ; 7.63,18.72 8,18.35 ; 7.63,18.72 8,18.35 ; 7.63,18.72 7.63,20.9 ; 8,18.35 8,15.75 ; 8,18.35 8,15.75 ; 8,18.35 8,15.75 ; 8,18.35 8,15.75 ; 15.2,29.55 14.91,29.26 ; 15.2,29.55 14.91,29.26 ; 15.2,29.55 14.91,29.26 ; 15.2,29.55 18.75,29.55 ; 15.2,29.55 14.91,29.26 ; 15.2,29.55 18.75,29.55 ; 15.2,29.55 18.75,29.55 ; 15.2,29.55 18.75,29.55 ; 19.06,29.24 18.75,29.55 ; 19.06,29.24 18.75,29.55 ; 19.06,29.24 18.75,29.55 ; 19.06,29.24 18.75,29.55 ; 37.63,20.9 37.63,18.72 ; 37.63,20.9 37.63,18.72 ; 37.63,20.9 37.63,18.72 ; 37.63,20.9 37.63,18.72 ; 8,15.75 10.5,15.75 ; 8,15.75 10.5,15.75 ; 8,15.75 10.5,15.75 ; 8,15.75 10.5,15.75 ; 10.5,15.75 13.7,15.75 ; 10.5,15.75 13.7,15.75 ; 10.5,15.75 13.7,15.75 ; 10.5,15.75 13.7,15.75 ; 13.7,15.75 16.25,15.75 ; 13.7,15.75 16.25,15.75 ; 13.7,15.75 16.25,15.75 ; 13.7,15.75 16.25,15.75 ; 18.05,16.95 14.05,16.95 ; 18.05,16.95 14.05,16.95 ; 18.05,16.95 14.05,16.95 ; 18.05,16.95 14.05,16.95 ; 18.05,16.95 18.6,17.5 ; 18.05,16.95 18.6,17.5 ; 18.05,16.95 18.6,17.5 ; 18.05,16.95 18.6,17.5 ; 14.05,16.95 13.7,16.6 ; 14.05,16.95 13.7,16.6 ; 14.05,16.95 13.7,16.6 ; 14.05,16.95 13.7,16.6 ; U2#25.1 18.6,17.5 ; U2#25.1 18.6,17.5 ; U2#25.1 18.6,17.5 ; U2#25.1 18.6,17.5 ; 13.7,16.6 C4#29.1 ; 13.7,16.6 C4#29.1 ; 13.7,16.6 C4#29.1 ; 13.7,16.6 C4#29.1 ; 16.25,15.75 17.09,14.91 ; 16.25,15.75 17.09,14.91 ; 16.25,15.75 17.09,14.91 ; 16.25,15.75 17.09,14.91 ; 17.09,14.91 U2#25.7 ; 17.09,14.91 U2#25.7 ; 17.09,14.91 U2#25.7 ; 17.09,14.91 U2#25.7